# KiCad board Beacon_Multiboard.kicad_pcb (continued)
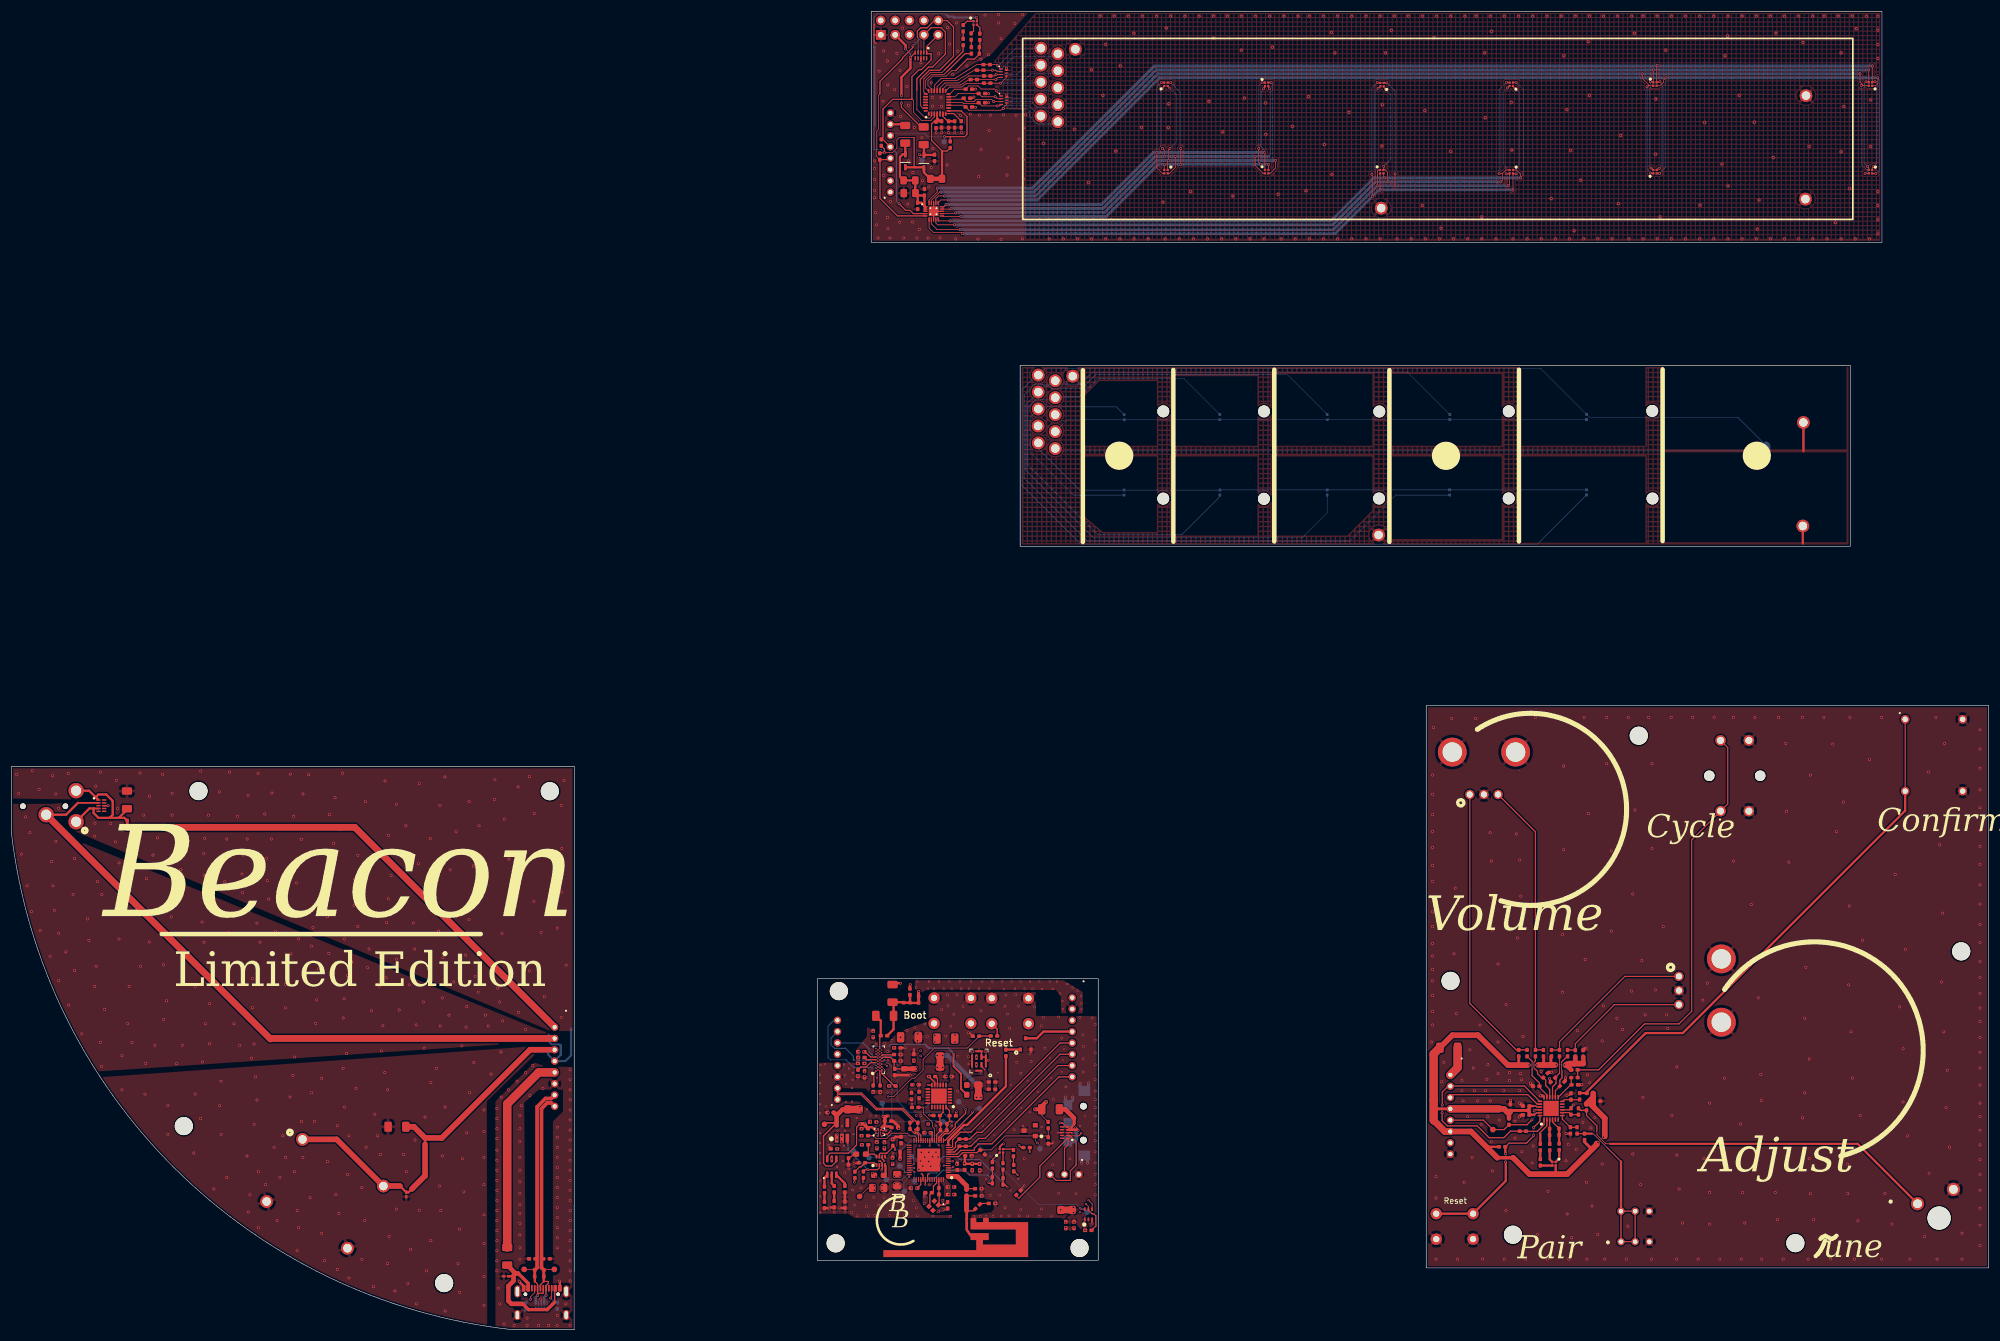
[diagram p0: board, top side]
## Routing (per net, layer and track width the routed paths; a pad name or vN(x,y) marks a point on that pad's centre or on a via; arc(x,y) is an arc through that point) (continued)
/Main_Board/+3V3_EXT: length 23.3
  In2.Cu w0.8: v2(166.84,52.12) v2(166.84,50.85) ; 166.84,51.46 183.24,51.46 186.49,54.7 J101.3
/Main_Board/+5V: length 31.2
  Top w0.2: 150.86,36.39 150.99,36.27 150.99,36.47 v2(150.91,36.55) ; PS502.A2 152.82,35.26 152.74,35.26 ; D501.6 144.25,30.73 144.74,31.21 147.99,31.21 149.44,32.66 149.44,35.78 v2(150.05,36.39)
  Top w0.4: 152.74,35.26 152.2,35.8 151.43,35.8
  Top w0.6: 150.99,36.27 150.99,36.06 151.45,35.6 C504.2 ; v2(150.05,36.39) 150.86,36.39
  In2.Cu w0.2: v2(150.05,36.39) 150.2,36.55 v2(150.91,36.55)
  In2.Cu w0.7: 144.53,40.64 144.53,40.38
  In2.Cu w0.8: 149.89,36.55 147.81,36.55 146.36,37.99 146.36,38.55 144.53,40.38
  In2.Cu w1: v2(150.91,36.55) 149.89,36.55 ; J106.4 145.12,46.71 144.53,46.12 144.53,40.64
/Main_Board/Regulators/3V3_EN: length 53.4
  Top w0.13: v3(178.11,23.24) 177.67,23.68 R508.2
  Top w0.2: PS501.7 153.47,31.04 153.63,31.2 154.77,31.2 155.84,32.27 C507.1 156.22,32.15 v3(156.22,31.8) ; SW501.2 186.19,32.05 186.85,32.71 186.85,33.78 D507.1 181.84,28.92 181.84,26.96 v3(178.11,23.24)
  In2.Cu w0.13: v3(163.97,32.58) 168.69,32.58 175.17,26.11 175.17,25.37 177.3,23.24 v3(178.11,23.24)
  Bottom w0.13: v3(163.97,32.58) 163.13,33.42 159.04,33.42 157.41,31.8 v3(156.22,31.8)
/Tactile_Board/+3V3: length 130.4
  Top w0.13: 277.93,48.22 C301.2
  Top w0.2: 269.29,38.02 269.6,38.33 270.21,38.33 U1501.23 ; U1501.21 269.71,39.37 269.54,39.55 269.06,39.55 ; 261.32,32.33 261.05,32.07 ; 273.04,27.52 273.03,27.51 ; 264.77,38.28 265.28,38.78 ; 279.76,41.69 R1402.1
  Top w0.25: R1410.2 270.92,48.27
  Top w0.3: 268.44,38.02 C1501.2
  Top w0.4: 269.29,38.02 268.44,38.02 ; 269.06,39.55 C1503.2 ; R1502.2 261.32,32.33 ; D1501.4 273.04,27.52
  Top w0.5: R1409.1 266.5,46.81 266.47,46.78 ; 267.97,38.78 268.39,39.2 C1503.2 C1501.2 268.39,38.37 267.97,38.78 ; 267.97,38.78 267.95,38.76 265.31,38.76 265.28,38.78 ; 279.44,31.89 278.13,33.2 R1403.1 ; 270.92,48.27 270.92,46.81 ; J104.4 251.46,39.04 ; R1411.1 272.19,48.22 272.19,46.81
  Top w0.6: 262.72,30.4 265.51,30.4
  Top w0.8: 275.31,47.04 275.31,46.42 R1401.1 ; R1501.2 264.77,38.28 ; R1412.2 276.51,47.24 276.3,47.04 ; 277.93,47.04 277.93,48.22 ; 279.76,39.34 279.76,41.69
  Top w1: R1404.1 279.67,41.09 R1402.1 ; 275.5,46.89 274.96,46.89 274.83,46.76 ; 263.04,39.04 263.9,39.04 264.47,38.48 264.98,38.48 ; F301.2 254.77,52.07 259.31,52.07 264.59,46.78 268.05,46.78 ; 281.71,34.19 281.71,37.39 279.3,39.8 ; 269.98,46.81 272.93,46.81 ; 280.29,32.92 280.29,32.74 275.06,27.51 268.4,27.51 265.51,30.4 ; 277.93,47.04 275.31,47.04 ; J104.6 258.07,35.04 262.72,30.4
  Top w1.2: 251.46,40.71 251.46,39.04 ; 251.46,37.01 253.42,35.04 J104.6
  Top w1.3: J104.4 263.04,39.04
  Top w1.5: 251.46,37.01 251.46,48.76 F301.2
  Bottom w0.13: v1(281.47,34.05) v1(280.51,33.09) ; v1(274.56,46.81) v1(273.18,46.81) ; v1(269.71,46.81) v1(268.35,46.81)
/Tactile_Board/+3V3_EXT: length 5.3
  Top w1.5: J104.1 255.69,46.32 F301.1
GND: length 137
  Top w0.13: 144.72,21.62 v2(144.61,21.51) 144.6,21.5 ; R508.1 178.47,24.91 v3(179.08,25.52) ; C610.2 156.04,61.26 ; 175.95,222.85 D416.7 ; v2(171.48,45.31) 171.48,45.37 ; C1406.1 271.78,45.54 ; v2(180.07,48.81) 180.27,49.02 Q1301.S ; 176,218.05 176,217.9 D418.7 ; v1(266.65,40.05) 266.75,40.05 ; 158,49.83 v2(158.02,49.86) ; v1(278.44,49.81) 278.28,49.81 ; 146.48,21.52 v2(146.46,21.53)
  Top w0.2: C406.1 169.91,216.13 v1(170.49,216.13) ; C533.1 144.53,32.32 v2(144.53,32.61) ; R503.1 149.71,29.41 v2(149,29.41) ; v1(274.88,34.67) 275.64,34.67 C1403.1 ; v2(164.88,21.23) 165.34,21.23 C710.1 ; J410.1 J410.2 148.2,30.32 148.92,31.03 R504.1 ; U401.EP 163.05,197.75 U401.8 ; U401.EP 163.05,197.75 U401.18 ; U401.EP 163.07,197.74 U401.13 ; U1501.9 275.46,38.87 C1404.1 275.75,39.34 v1(276.13,39.72) ; v3(185.1,34.85) D507.8 ; 152.53,228.97 152.53,230.82 152.56,230.85 ; 152.53,228.97 152.53,227.72 152.89,227.37 ; 152.53,228.97 152.56,228.94 153.73,228.94 ; C1407.1 271.94,43.98 v1(271.94,44.4) ; C413.1 169.86,219.35 v1(170.49,219.35) ; v3(187.55,34.72) 187.41,34.85 D507.3 ; C412.1 172.19,218.55 v1(172.79,218.55) ; R510.1 183.98,32.89 v3(184.21,33.12) ; v3(154.62,35.2) 154.1,35.2 PS502.D2 ; v1(275.03,41.43) 275.37,41.43 C1402.1 ; C410.1 172.16,216.95 v1(172.79,216.95) ; v1(268.58,43.58) 268.58,43.5 ; v2(161.37,23.47) 161.37,24 C711.1 ; 274.78,44.07 C1408.1
  Top w0.25: C801.1 169.39,52.5 v2(169.19,52.5) ; C411.1 169.98,217.74 v1(170.19,217.95) ; 172.31,48.2 172.29,48.19 MK1201.2 171.52,49.19 171.5,49.22 ; 316.73,139.03 316.76,139 ; v2(191.07,18.85) 191.08,18.86 U1101.3 ; v1(160.81,224.05) D415.8 ; v1(17.12,92.65) D504.8 ; C601.1 159.57,48.72 v4(159.57,49.62) ; v2(162.22,44.76) 163.24,43.74 U1001.11 ; 316.83,155.33 316.86,155.3
  Top w0.3: C612.2 158,49.83 ; 270.7,41.37 U1501.18 ; 266.98,37.97 C1501.1
  Top w0.4: C602.1 v2(158.92,44.99) ; J510.A1 90.59,7.7 v1(89.81,8.48) ; J502.2 147.37,22.67 R511.1 ; v2(158.94,61.01) 158.87,60.94 C609.2 ; v1(175.95,223.05) 175.95,222.85 ; 156.04,61.26 v2(157.21,61.26) ; J502.1 146.48,21.52 ; R516.1 144.6,21.5 ; H422.1 316.83,155.33 ; R515.1 144.72,21.62 ; H421.1 316.73,139.03 ; v1(96.87,8.58) 96.99,8.46 J510.A12 ; v1(176,218.27) 176,218.05 ; v2(155.84,33.66) 156.28,34.1 C708.1
  Top w0.5: C513.1 v2(156.88,35.58) 156.76,36.03 155.91,36.88 C506.1 ; v1(274.78,44.52) 274.78,44.07 ; 278.28,49.81 C301.1 ; v1(265.03,40.54) C1502.1 ; 268.58,43.5 C1405.1 ; C1401.1 v1(277.65,43.3) ; v1(266.64,37.63) 266.98,37.97 ; 271.78,45.54 v1(272.32,45.54) ; 266.75,40.05 C1503.1 ; v1(270.39,41.37) 270.7,41.37
  In4.Cu w0.15: 150.01,47.7 149.96,47.65 148.9,47.65 ; 151.85,47.7 151.9,47.65
  In4.Cu w0.2: 151.9,47.65 152.66,46.88 152.36,46.58 152.36,46.22 152.47,46.11 152.47,46.08 152.67,45.88 153.13,45.88 v5(153.2,45.95) ; 148.9,47.65 148.85,47.7 ; 150.01,47.7 151.85,47.7
  In4.Cu w0.25: 147.84,50.69 146.97,50.69 ; 151.65,49.63 151.75,49.53 ; 146.82,49.68 146.31,49.68 146.26,49.73 145.55,49.73 144.94,50.34 144.94,51.56 145.45,52.07 ; 152.31,48.46 152.55,48.46 v5(152.81,48.72)
  In4.Cu w0.381: 147.07,47.7 144.89,47.7 144.33,48.26 144.33,53.64 145.04,54.35 ; J106.5 146.06,49.42 146.31,49.68 147.53,49.68 148.85,48.36 148.85,47.7
  In4.Cu w0.4: 151.65,49.63 150.58,50.69 147.84,50.69 146.82,49.68 ; 152.36,46.22 152.18,46.22 152.03,46.38 148.85,46.38 147.53,47.7 147.07,47.7 J106.5 ; 151.75,49.53 151.75,49.02 152.31,48.46
  Bottom w0.2: 189.21,30.33 J501.3 190.25,30.25
  Bottom w0.25: D505.3 93.71,5.29 v1(93.57,5.43)
  Bottom w0.3: 96.93,50.43 95.56,50.43 94.99,51
  Bottom w0.4: J105.4 97.13,48.56 97.13,50.24 96.93,50.43 ; J105.4 94.94,48.61 94.94,49.78 ; J105.4 97.94,47.49 98.95,48.51 98.95,53.28 ; 94.99,51 94.99,52.17
  Bottom w0.5: v2(189.21,29.43) 189.21,30.33 ; v2(188.96,43.58) 188.96,42.95 J501.3 190.43,42.95 v2(190.43,43.63) ; v2(186.37,41.14) 186.37,40.14 J501.3 187.66,40.58 v2(187.66,41.14) ; v2(190.25,29.46) 190.25,30.25
  vias: v1(0.96,98.19) v1(1.32,94.79) v1(1.77,84.07) v1(2.54,90.67) v1(2.79,78.48) v1(3.3,87.88) v1(3.55,73.91) v1(3.7,98.85) v1(4.92,95.55) v1(5.08,70.61) v1(6.85,66.03) v1(7.11,82.8) v1(7.26,97.94) v1(7.36,78.48) v1(7.62,74.16) v1(7.87,94.74) v1(7.87,86.36) v1(8.38,92.2) v1(8.38,70.1) v1(8.38,61.72) v1(9.65,66.8) v1(10.05,98.34) v1(10.16,57.4) v1(10.92,76.96) v1(11.17,83.31) v1(11.17,63.5) v1(12.44,52.32) v1(13.46,72.64) v1(13.71,68.83) v1(14.73,87.27) v1(14.73,60.7) v1(14.78,89.56) v1(14.93,96.11) v1(14.98,64.26) v1(15.24,79.24) v1(15.74,98.6) v1(15.74,50.8) v1(16,76.96) v1(15.95,46.53) v1(16.51,56.64) v1(17.57,89.45) v1(18.39,86.25) v1(18.59,97.12) v1(18.79,92.15) v1(19.05,82.55) v1(19.05,73.66) v1(19.05,69.08) v1(19.55,48.46) v1(19.55,42.41) v1(20.57,54.1) v1(20.82,60.7) v1(21.33,50.8) v1(22.75,98.45) v1(22.86,64.26) v1(23.41,90.98) v1(23.62,41.65) v1(23.77,47.09) v1(23.87,79.75) v1(24.43,94.33) v1(24.38,68.58) v1(25.04,83.92) v1(25.4,50.29) v1(25.85,86.96) v1(26.77,98.19) v1(26.92,64.51) v1(26.92,54.86) v1(27.43,58.16) v1(27.68,39.62) v1(27.68,34.54) v1(28.29,72.99) v1(28.44,94.85) v1(28.44,90.98) v1(29.21,47.04) v1(29.46,76.96) v1(29.66,83.92) v1(29.97,81.33) v1(30.17,86.81) v1(30.22,50.29) v1(32.25,31.24) v1(32.51,60.7) v1(32.51,41.65) v1(33.47,98.75) v1(33.44,37.33) v1(33.73,72.08) v1(33.78,47.34) v1(34.03,84.17) v1(34.08,80.36) v1(34.08,68.52) v1(34.18,86.86) v1(34.29,54.1) v1(34.84,90.98) v1(35.05,57.65) v1(35.05,50.54) v1(35.81,24.89) v1(36.06,74.93) v1(36.77,95.09) v1(36.83,39.62) v1(37.08,43.94) v1(37.08,34.54) v1(37.69,83.97) v1(37.74,79.19) v1(37.79,65.02) v1(38.1,86.76) v1(38.1,26.92) v1(38.4,70.25) v1(38.6,98.6) v1(39.37,73.15) v1(39.37,54.1) v1(39.98,90.77) v1(40.38,50.29) v1(40.79,80.56) v1(40.89,77.26) v1(40.99,83.92) v1(41.7,86.76) v1(41.65,30.73) v1(41.85,94.48) v1(41.91,20.82) v1(42.16,23.87) v1(42.46,48) v1(42.62,62.07) v1(42.62,56.94) v1(42.92,50.54) v1(42.92,36.32) v1(43.18,44.7) v1(43.43,71.88) v1(43.43,40.64) v1(43.63,98.34) v1(43.68,27.94) v1(43.68,18.03) v1(43.99,68.52) v1(44.8,91.18) v1(44.95,25.65) v1(45.16,83.36) v1(45.26,79.4) v1(45.51,76.14) v1(46.02,86.76) v1(46.07,94.89) v1(46.48,32.25) v1(46.73,70.35) v1(46.99,19.3) v1(47.49,26.92) v1(48,34.28) v1(48.46,61.06) v1(48.46,56.89) v1(48.51,30.48) v1(49.32,98.24) v1(49.27,41.14) v1(49.42,66.44) v1(49.78,44.95) v1(49.93,90.77) v1(49.93,74.01) v1(50.08,48.2) v1(50.03,27.94) v1(50.44,78.99) v1(50.54,21.08) v1(50.54,13.97) v1(50.8,69.08) v1(50.8,18.03) v1(51.1,83.15) v1(51.25,86.71) v1(51.3,36.83) v1(51.56,94.74) v1(51.56,30.48) v1(52.57,98.14) v1(52.83,23.36) v1(53.08,67.81) v1(53.08,41.91) v1(53.34,71.12) v1(53.59,36.83) v1(53.79,54.15) v1(53.95,58.31) v1(54.3,63.8) v1(54.86,44.45) v1(54.86,17.01) v1(55.37,76.96) v1(55.37,12.19) v1(55.88,73.05) v1(55.88,29.71) v1(56.13,66.54) v1(56.23,91.08) v1(56.18,82.85) v1(56.99,86) v1(57.25,94.08) v1(57.4,23.87) v1(57.65,36.06) v1(57.65,10.66) v1(57.91,20.57) v1(58.57,98.39) v1(58.67,55.11) v1(58.67,46.22) v1(58.82,58.52) v1(58.92,69.08) v1(58.92,39.37) v1(59.28,48.86) v1(59.43,62.63) v1(59.43,27.43) v1(59.69,34.28) v1(59.69,9.14) v1(60.19,65.02) v1(60.6,75.03) v1(60.65,79.65) v1(60.96,42.67) v1(61.26,83.87) v1(61.26,71.27) v1(61.97,25.14) v1(61.97,12.44) v1(62.48,19.3) v1(62.58,93.37) v1(62.73,32.25) v1(62.99,64) v1(63.24,67.31) v1(63.7,56.38) v1(64,7.62) v1(64.26,38.09) v1(64.77,34.28) v1(65.07,60.75) v1(65.27,30.98) v1(65.43,49.3) v1(65.68,53.74) v1(66.09,97.02) v1(66.04,45.46) v1(66.29,62.23) v1(66.34,71.98) v1(66.54,42.41) v1(66.54,11.68) v1(66.7,87.42) v1(66.65,76.2) v1(66.8,16.5) v1(67.15,80.26) v1(67.81,6.85) v1(68.07,92.91) v1(68.07,65.53) v1(68.07,21.33) v1(68.58,56.54) v1(69.34,30.98) v1(69.74,89.1) v1(69.85,27.94) v1(70.1,8.12) v1(70.35,60.96) v1(70.61,14.22) v1(71.06,71.88) v1(71.32,67.31) v1(71.37,33.52) v1(71.57,53.89) v1(71.62,4.57) v1(71.98,82.39) v1(72.13,96.57) v1(72.13,21.08) v1(72.84,57.96) v1(73,49.78) v1(73.15,37.59) v1(73.4,10.41) v1(73.91,62.99) v1(74.06,86.86) v1(74.16,43.68) v1(74.16,15.74) v1(75.18,46.22) v1(75.54,70.45) v1(75.69,25.4) v1(75.79,92.71) v1(75.84,53.69) v1(75.94,21.08) v1(76.2,58.67) v1(76.2,30.73) v1(76.3,65.78) v1(76.65,97.73) v1(76.7,39.37) v1(76.7,3.3) v1(77.36,55.62) v1(77.57,81.33) v1(78.23,61.46) v1(78.63,88.08) v1(78.99,11.68) v1(79.24,17.78) v1(79.24,6.6) v1(79.65,50.19) v1(79.75,30.22) v1(80.01,24.38) v1(80.31,66.24) v1(80.41,53.49) v1(80.51,57.15) v1(80.51,34.79) v1(80.92,93.37) v1(80.92,72.54) v1(81.02,41.91) v1(81.68,81.99) v1(81.78,47.24) v1(81.99,62.48) v1(82.55,59.69) v1(82.7,89.1) v1(83.56,38.86) v1(83.56,35.05) v1(83.56,30.48) v1(83.56,25.65) v1(83.56,20.31) v1(83.56,15.24) v1(83.56,9.39) v1(83.56,4.31) v1(83.82,55.62) v1(84.32,53.69) v1(84.83,45.21) v1(85.39,93.77) v1(85.49,97.23) v1(85.85,39.11) v1(85.85,37.33) v1(85.85,35.56) v1(85.85,33.78) v1(85.85,31.75) v1(85.85,29.97) v1(85.85,28.19) v1(85.85,26.41) v1(85.85,24.63) v1(85.85,22.86) v1(85.85,21.08) v1(85.85,19.3) v1(85.85,17.52) v1(85.85,15.74) v1(85.85,13.97) v1(85.85,12.19) v1(85.85,10.41) v1(86,60.4) v1(86.1,7.36) v1(86.36,57.91) v1(86.36,4.57) v1(86.56,49.12) v1(86.61,41.14) v1(86.76,70.05) v1(86.86,54.61) v1(87.12,1.01) v1(87.17,90.27) v1(87.47,74.57) v1(87.88,42.41) v1(87.98,83.21) v1(88.9,0.76) v1(89.4,43.94) v1(89.61,95.96) v1(89.66,56.13) v1(89.91,37.84) v1(89.91,35.56) v1(89.91,33.27) v1(89.91,30.48) v1(89.91,28.19) v1(89.91,26.16) v1(89.91,24.12) v1(89.91,22.09) v1(89.91,20.57) v1(89.91,18.79) v1(89.91,16.76) v1(89.91,14.47) v1(89.91,12.44) v1(90.17,39.62) v1(90.93,53.08) v1(90.93,45.46) v1(91.18,2.03) v1(91.18,0.76) v1(91.59,97.78) v1(91.59,63.44) v1(91.69,41.4) v1(91.94,83.36) v1(92.2,46.73) v1(92.4,75.74) v1(92.45,91.28) v1(93.21,0.76) v1(93.67,70.25) v1(93.98,42.67) v1(94.23,58.87) v1(94.99,0.76) v1(96.52,71.01) v1(96.52,35.81) v1(96.52,34.03) v1(96.52,32.25) v1(96.52,30.48) v1(96.52,28.7) v1(96.52,26.92) v1(96.52,25.14) v1(96.52,23.36) v1(96.52,21.59) v1(96.52,19.81) v1(96.52,18.03) v1(96.52,16.25) v1(96.52,14.47) v1(96.52,2.54) v1(96.52,0.76) v1(97.23,92.71) v1(97.23,77.36) v1(97.23,55.21) v1(97.33,85.09) v1(97.69,97.1) v1(98.09,64.46) v1(98.04,4.57) v1(98.8,45.97) v1(98.8,44.19) v1(98.8,42.41) v1(98.8,40.64) v1(98.8,38.86) v1(98.8,37.08) v1(98.8,35.3) v1(98.8,33.52) v1(98.8,31.75) v1(98.8,29.97) v1(98.8,28.19) v1(98.8,26.41) v1(98.8,24.63) v1(98.8,22.86) v1(98.8,21.08) v1(98.8,19.3) v1(98.8,17.52) v1(98.8,15.74) v1(98.8,13.97) v1(98.8,12.19) v1(98.8,10.41) v1(98.8,8.63) v1(98.8,0.76) v1(152.58,206.64) v1(152.58,205.32) v1(152.61,203.36) v1(152.61,200.14) v1(152.64,201.46) v1(152.79,197.5) v1(152.99,195.34) v1(153.22,193.03) v1(153.42,222.54) v1(154.11,217.21) v1(154.24,226.12) v1(154.24,204.1) v1(154.87,224.32) v1(154.9,196.66) v1(154.97,220.1) v1(154.97,194.68) v1(155.33,193.03) v1(155.43,199.48) v1(156.17,219.24) v1(156.57,225.66) v1(157.11,222.64) v1(157.05,195.82) v1(157.23,214.51) v1(157.56,230.13) v1(157.77,193.05) v1(158.32,219.8) v1(158.5,199.02) v1(158.6,216.5) v1(158.66,206.67) v1(159.39,204.61) v1(159.34,195.84) v1(159.65,212.56) v1(160.13,193.03) v1(160.53,194.55) v1(160.99,210.75) v1(161.09,203.16) v1(162.08,193.03) v1(162.19,202.05) v1(162.64,220.46) v1(162.64,205.5) v1(162.82,217.89) v1(162.85,216.34) v1(162.95,208.88) v1(163.49,211.65) v1(163.96,225.66) v1(164.17,193.05) v1(164.37,217.84) v1(164.47,216.29) v1(164.49,211.65) v1(165.44,205.95) v1(165.54,230.21) v1(165.69,211.65) v1(165.89,227.29) v1(166.43,221.93) v1(166.79,211.65) v1(166.99,192.85) v1(167.11,231.05) v1(167.34,226.05) v1(167.8,214.72) v1(167.99,211.65) v1(168.97,223.43) v1(169.55,214.92) v1(170.89,192.85) v1(171.04,203.9) v1(171.14,214.75) v1(171.43,224.62) v1(171.44,208.65) v1(172.14,232.45) v1(172.73,225.44) v1(172.89,212.05) v1(173.09,214.75) v1(174.54,232.55) v1(174.54,231.05) v1(174.99,228.25) v1(174.99,192.8) v1(175.44,214.8) v1(176.04,204.15) v1(176.19,207.25) v1(177.44,230.95) v1(177.64,214.7) v1(178.19,210.5) v1(178.79,232.55) v1(178.74,192.85) v1(178.9,206.87) v1(179.03,212.51) v1(178.95,203.44) v1(179.29,214.8) v1(182.49,209.75) v1(183.49,192.85) v1(185.99,192.85) v1(187.99,212.25) v1(188.49,192.86) v1(190.44,202.85) v1(190.99,222.75) v1(190.99,192.85) v1(192.49,232.25) v1(192.99,218.25) v1(193.49,227.25) v1(193.49,192.85) v1(194.99,232.26) v1(195.28,208.39) v1(195.99,192.85) v1(196.07,223.45) v1(197.49,232.25) v1(198.46,229.25) v1(198.49,192.86) v1(199.84,212.6) v1(199.99,232.25) v1(200.99,192.85) v1(202.49,232.25) v1(203.59,199.35) v1(203.99,192.85) v1(204.2,230.16) v1(204.54,212.55) v1(204.64,216.75) v1(204.99,232.26) v1(206.49,192.85) v1(207.49,232.25) v1(208.49,201.25) v1(208.99,192.86) v1(209.99,232.25) v1(211.49,192.85) v1(211.74,217.2) v1(212.49,232.25) v1(212.54,228.3) v1(213.99,192.85) v1(214.19,211.8) v1(214.99,232.26) v1(215.99,200.45) v1(216.49,192.85) v1(217.49,232.25) v1(217.49,226.25) v1(217.99,217.75) v1(218.99,192.86) v1(219.99,232.25) v1(221.49,192.85) v1(221.74,216.9) v1(221.79,211.35) v1(222.49,232.25) v1(222.99,226.75) v1(223.99,200.75) v1(224.49,192.85) v1(224.99,232.26) v1(226.49,212.75) v1(226.99,192.85) v1(227.49,232.25) v1(228.89,201.39) v1(229.34,218.05) v1(229.49,232.25) v1(229.49,192.86) v1(231.99,232.25) v1(231.99,192.85) v1(232.14,209.55) v1(233.41,229.4) v1(233.49,204.25) v1(233.99,225.75) v1(234.49,232.26) v1(234.49,192.85) v1(236.49,215.25) v1(236.99,232.25) v1(236.99,192.85) v1(239.49,232.25) v1(239.49,192.86) v1(241.99,232.25) v1(241.99,192.85) v1(242.39,216.6) v1(242.34,209.3) v1(242.99,225.75) v1(243.99,229.75) v1(244.49,232.26) v1(244.99,192.85) v1(246.99,232.25) v1(247.49,192.85) v1(249.49,232.25) v1(249.49,198.75) v1(249.89,215.55) v1(249.99,192.86) v1(251.06,50.87) v1(251.26,98.07) v1(251.26,94.67) v1(251.26,91.07) v1(251.26,88.07) v1(251.26,85.27) v1(251.26,82.07) v1(251.26,79.27) v1(251.26,76.47) v1(251.26,73.87) v1(251.26,71.27) v1(251.26,68.27) v1(251.26,66.07) v1(251.26,63.67) v1(251.26,61.67) v1(251.26,59.07) v1(251.26,56.27) v1(251.26,53.87) v1(251.49,228.45) v1(251.46,106.47) v1(251.87,27.07) v1(251.87,23.26) v1(251.87,12.47) v1(251.99,232.25) v1(252.49,192.85) v1(252.79,194.75) v1(252.86,43.87) v1(253.26,47.27) v1(254.49,232.26) v1(254.49,208.3) v1(254.66,108.07) v1(254.99,192.85) v1(255.06,66.47) v1(255.26,78.07) v1(255.46,55.87) v1(255.68,12.47) v1(256.46,44.07) v1(256.46,42.27) v1(256.66,40.47) v1(256.86,26.07) v1(256.99,232.25) v1(257.49,192.85) v1(257.46,37.67) v1(257.86,49.47) v1(258.26,30.47) v1(258.46,46.27) v1(258.66,42.27) v1(258.86,108.07) v1(258.99,232.25) v1(259.26,40.47) v1(259.66,53.87) v1(259.86,36.27) v1(259.99,196.75) v1(259.99,192.86) v1(260.12,12.47) v1(260.49,225.75) v1(260.59,214.3) v1(260.66,42.27) v1(260.86,44.27) v1(261.06,46.87) v1(261.06,37.67) v1(261.49,232.25) v1(261.46,87.87) v1(261.46,40.47) v1(261.7,229.58) v1(261.66,82.87) v1(261.66,33.27) v1(261.86,76.27) v1(261.86,70.67) v1(261.86,28.07) v1(262.49,192.85) v1(262.86,64.67) v1(262.86,50.87) v1(262.86,45.27) v1(263.06,37.07) v1(263.46,108.07) v1(263.86,42.27) v1(263.99,232.26) v1(263.93,12.47) v1(264.26,57.47) v1(264.26,21.07) v1(264.86,45.47) v1(264.86,44.07) v1(265.19,217) v1(265.29,208.6) v1(265.49,192.85) v1(265.86,36.87) v1(265.86,33.87) v1(266.06,87.67) v1(266.26,69.27) v1(266.49,232.25) v1(266.66,83.07) v1(266.66,42.27) v1(266.86,76.67) v1(266.86,45.27) v1(267.02,44.17) v1(267.06,31.47) v1(267.26,51.87) v1(267.74,12.47) v1(267.99,192.85) v1(268.86,29.47) v1(268.99,232.25) v1(269.06,32.47) v1(269.46,108.27) v1(269.86,16.87) v1(270.49,192.86) v1(270.46,45.67) v1(271.49,232.25) v1(271.55,12.47) v1(271.66,24.47) v1(272.24,199.99) v1(272.99,192.85) v1(273.86,108.27) v1(273.99,232.26) v1(274.26,69.87) v1(274.26,59.67) v1(274.49,225.25) v1(274.46,99.67) v1(274.46,84.87) v1(274.86,29.87) v1(275.04,215.75) v1(275.06,20.47) v1(275.26,32.77) v1(275.36,12.47) v1(275.49,192.85) v1(275.64,208.55) v1(275.86,16.27) v1(276.29,194.3) v1(276.49,232.25) v1(276.66,31.87) v1(276.86,52.87) v1(277.49,203.25) v1(277.86,36.67) v1(277.99,192.85) v1(278.06,108.27) v1(278.06,77.67) v1(278.26,65.47) v1(278.46,26.07) v1(278.54,12.47) v1(278.66,45.07) v1(278.77,227.75) v1(278.86,91.27) v1(278.99,232.25) v1(278.99,218.25) v1(279.06,43.67) v1(279.26,35.67) v1(279.46,21.87) v1(279.95,37.49) v1(280.49,192.86) v1(280.47,16.83) v1(281.26,51.07) v1(281.26,29.27) v1(281.49,232.25) v1(281.46,57.27) v1(281.71,12.47) v1(282.06,108.27) v1(282.06,100.07) v1(282.86,84.67) v1(282.86,70.47) v1(282.99,192.85) v1(283.86,55.07) v1(283.99,232.26) v1(284.13,199.1) v1(284.54,211.17) v1(284.86,53.07) v1(285.52,12.47) v1(285.8,18.31) v1(285.86,108.27) v1(285.99,192.85) v1(286.49,232.25) v1(286.46,59.87) v1(286.66,77.07) v1(286.66,31.07) v1(286.99,229.25) v1(287.06,91.87) v1(288.06,25.67) v1(288.26,65.27) v1(288.49,232.25) v1(288.49,192.85) v1(288.46,41.07) v1(288.86,55.67) v1(289.46,108.27) v1(289.97,12.47) v1(290.06,100.07) v1(290.06,85.07) v1(290.69,207.85) v1(290.66,60.07) v1(290.74,217.6) v1(290.99,232.25) v1(290.99,192.86) v1(291.49,196.75) v1(292.06,71.27) v1(292.49,226.25) v1(292.66,55.67) v1(292.86,53.27) v1(293.49,232.25) v1(293.49,192.85) v1(293.46,108.27) v1(293.57,37.89) v1(294.41,12.47) v1(294.46,46.47) v1(294.46,30.87) v1(294.86,24.87) v1(295.46,18.87) v1(295.99,232.26) v1(295.99,192.85) v1(297.26,108.27) v1(298.22,12.47) v1(298.49,232.25) v1(298.49,192.85) v1(298.56,198.84) v1(299.06,58.27) v1(299.26,30.27) v1(299.37,213.45) v1(299.86,61.27) v1(300.26,40.07) v1(300.26,24.27) v1(300.26,18.67) v1(300.99,232.25) v1(300.99,192.86) v1(301.06,108.27) v1(302.03,12.47) v1(302.44,206.12) v1(302.86,44.47) v1(302.99,225.25) v1(303.49,232.25) v1(303.44,228.75) v1(303.49,202.25) v1(303.49,192.85) v1(304.46,108.27) v1(304.46,82.87) v1(305.26,30.27) v1(305.49,218.25) v1(305.72,36.38) v1(305.84,12.47) v1(305.99,232.26) v1(305.99,192.85) v1(306.06,24.27) v1(306.46,18.87) v1(307.6,75.18) v1(308.14,213.5) v1(308.26,108.27) v1(308.49,232.25) v1(308.49,192.85) v1(308.69,194.6) v1(308.86,58.67) v1(308.99,199.75) v1(309.3,45.14) v1(309.39,40.53) v1(309.46,12.47) v1(310.99,232.25) v1(310.99,192.86) v1(311.49,207.25) v1(311.46,30.27) v1(311.86,24.27) v1(311.99,229.25) v1(312.26,19.47) v1(312.46,108.27) v1(313.26,12.47) v1(313.49,232.25) v1(313.49,192.85) v1(313.72,103.63) v1(313.86,91.67) v1(314.26,82.67) v1(315.99,232.26) v1(315.99,192.85) v1(316.66,108.27) v1(316.66,37.47) v1(316.77,227.62) v1(317.06,55.07) v1(317.06,41.87) v1(317.26,64.07) v1(317.66,12.47) v1(317.84,209.21) v1(317.86,47.87) v1(317.86,30.27) v1(318.06,98.07) v1(318.06,24.07) v1(318.49,232.25) v1(318.49,192.85) v1(318.66,19.47) v1(320.49,232.25) v1(320.46,108.27) v1(320.99,192.86) v1(321.66,12.47) v1(322.01,103.53) v1(322.49,195.75) v1(322.66,88.07) v1(322.99,232.25) v1(323.49,225.75) v1(323.49,208.25) v1(323.49,192.85) v1(323.89,93.27) v1(323.99,216.25) v1(324.66,29.27) v1(324.66,24.07) v1(324.93,74.9) v1(324.84,60.96) v1(324.99,201.75) v1(325.06,108.27) v1(325.26,52.67) v1(325.49,232.26) v1(325.49,44.48) v1(325.86,12.47) v1(325.99,192.85) v1(326.17,230.08) v1(326.46,19.27) v1(326.86,37.87) v1(327.26,68.87) v1(327.99,232.25) v1(328.49,192.85) v1(328.51,100.8) v1(328.74,217.45) v1(328.74,209.2) v1(329.99,232.25) v1(329.98,229.75) v1(329.99,227.25) v1(329.99,224.75) v1(329.99,201.25) v1(329.98,198.75) v1(329.99,196.25) v1(329.99,193.75) v1(330.66,108.27) v1(330.66,12.47) v1(331.26,24.07) v1(332.46,18.67) v1(333.06,80.47) v1(333.86,57.07) v1(334.46,49.67) v1(334.46,40.27) v1(334.86,67.27) v1(335.26,34.27) v1(335.66,12.47) v1(338.26,16.47) v1(338.96,98.63) v1(339.06,27.67) v1(340.26,108.27) v1(340.46,12.47) v1(340.94,85.73) v1(341.26,61.47) v1(341.46,73.67) v1(341.66,52.67) v1(341.79,103.63) v1(342.06,39.27) v1(342.26,45.87) v1(342.66,32.27) v1(344.86,17.07) v1(344.86,12.47) v1(348.06,106.07) v1(348.06,102.67) v1(348.06,99.27) v1(348.06,95.47) v1(348.06,92.27) v1(348.06,88.27) v1(348.06,85.47) v1(348.06,82.27) v1(348.06,78.67) v1(348.06,75.27) v1(348.06,71.67) v1(348.06,68.47) v1(348.06,65.07) v1(348.06,62.27) v1(348.06,59.47) v1(348.06,56.87) v1(348.06,54.47) v1(348.06,51.67) v1(348.06,49.07) v1(348.06,46.27) v1(348.06,43.27) v1(348.06,40.07) v1(348.06,37.67) v1(348.06,35.27) v1(348.06,32.67) v1(348.06,30.07) v1(348.06,27.47) v1(348.06,24.67) v1(348.06,21.47) v1(348.06,18.47) v1(348.06,14.87) v2(144.41,38.39) v2(145.5,20.77) v2(146.82,34.17) v2(146.77,33.28) v2(147.34,27.73) v2(147.38,20.77) v2(148.08,28.39) v2(148.57,20.72) v2(148.76,24.69) v2(149.06,22.06) v2(149.56,20.16) v2(149.72,48.1) v2(149.66,47.04) v2(149.69,44.88) v2(149.87,49.14) v2(150.23,25.09) v2(150.3,35.48) v2(150.86,44.75) v2(151.16,21.79) v2(151.49,20.16) v2(151.9,36.77) v2(152.36,52.68) v2(152.36,41.98) v2(152.48,23.39) v2(152.66,20.21) v2(153.02,33.08) v2(153.35,22.04) v2(153.63,41.98) v2(153.93,25.46) v2(153.93,24.65) v2(154.3,23.36) v2(154.34,33.03) v2(154.44,50.59) v2(154.95,49.17) v2(155.25,20.21) v2(155.71,51.15) v2(155.71,22.09) v2(155.81,30.28) v2(156.12,25.81) v2(156.24,23.5) v2(157.21,48.65) v2(157.21,47.51) v2(157.13,25.76) v2(157.74,21.46) v2(157.89,20.16) v2(158.35,52.93) v2(159.19,25.05) v2(159.47,22.8) v2(159.72,53.44) v2(159.98,21.53) v2(160.23,52.29) v2(160.21,51.08) v2(160.18,20.16) v2(160.46,28.34) v2(160.82,37.84) v2(160.74,29.82) v2(160.89,31.36) v2(161.15,28.93) v2(161.4,22.35) v2(161.5,54.05) v2(161.48,30.53) v2(161.58,34.81) v2(161.94,51.8) v2(162.19,31.36) v2(162.19,29.76) v2(162.54,28.9) v2(162.87,30.58) v2(162.97,20.11) v2(163.48,31.39) v2(163.86,30.53) v2(163.97,20.9) v2(164.49,56.6) v2(164.68,22.88) v2(165.19,51.9) v2(165.49,59.2) v2(165.62,57.3) v2(166.02,20.06) v2(166.09,53.65) v2(166.15,44.75) v2(166.55,25.22) v2(166.57,23.9) v2(166.64,55.75) v2(167.19,59.25) v2(167.14,29.26) v2(167.29,48.36) v2(167.29,42.16) v2(168.26,57.15) v2(169.22,48.28) v2(169.3,46.99) v2(169.83,30.63) v2(169.89,28.21) v2(169.93,49.17) v2(170.19,20.01) v2(171.2,28.18) v2(171.36,20.01) v2(171.44,56.4) v2(171.52,24.92) v2(171.6,23.65) v2(172.25,49.17) v2(172.32,20.01) v2(172.7,47.65) v2(173.08,23.77) v2(173.54,20.06) v2(174,22.32) v2(174.71,23.77) v2(175.01,20.11) v2(175.67,57.2) v2(175.67,21.56) v2(175.84,59.15) v2(176.09,55.8) v2(176.39,20.11) v2(176.49,53.3) v2(177.3,35.35) v2(177.54,59.25) v2(177.76,47.29) v2(178.06,57.25) v2(178.16,20.11) v2(178.47,45.36) v2(178.47,21.23) v2(179.08,30.22) v2(179.69,20.11) v2(180.3,47.44) v2(180.91,57.04) v2(181.72,20.06) v2(182.09,53.75) v2(182.1,21.36) v2(182.48,55.22) v2(182.74,49.78) v2(183.9,20.11) v2(184.11,29.15) v2(184.21,40.74) v2(185.17,55.27) v2(185.17,24.13) v2(185.69,51.55) v2(186.42,18.08) v2(186.44,42.92) v2(187.16,30.22) v2(187.89,18.08) v2(188.22,24.02) v2(188.93,55.22) v2(189.44,52.12) v2(189.49,47.9) v2(189.54,50.08) v2(189.54,45.56) v2(191.07,55.11) v2(191.63,54) v2(191.63,51.2) v2(191.63,48.97) v2(191.63,46.83) v2(191.63,44.19) v2(191.63,42.21) v2(191.63,40.69) v2(191.63,39.26) v2(191.63,37.79) v2(191.63,36.32) v2(191.63,34.79) v2(191.63,33.42) v2(191.63,31.44) v2(191.61,29.48) v2(191.63,27.48) v2(191.63,25.7) v2(191.63,23.87) v3(143.01,45.08) v3(143.01,43.61) v3(143,41.7) v3(142.97,39.87) v3(142.97,38.25) v3(142.98,34.77) v3(142.98,33.02) v3(142.98,31.26) v3(143.01,29.41) v3(143.01,26.36) v3(143.01,23.57) v3(143.01,20.72) v3(143.06,46.78) v3(143.82,46.93) v3(143.98,39.47) v3(144.53,34.34) v3(146.01,28.75) v3(146.06,35.23) v3(146.82,35.99) v3(147,29.84) v3(147.2,46.86) v3(147.2,32.51) v3(147.35,44.98) v3(147.38,35.12) v3(147.53,43.48) v3(147.57,40.28) v3(148.09,46.17) v3(148.62,42.72) v3(148.64,40.33) v3(148.8,45.41) v3(148.75,44.19) v3(148.89,34.59) v3(149.46,37.44) v3(151.28,38.96) v3(151.9,37.87) v3(152.92,50.49) v3(152.89,37.84) v3(153.07,44.55) v3(154.92,41.96) v3(154.95,47.62) v3(155.89,31.16) v3(159.14,40.93) v3(159.49,43.31) v3(160.49,41.13) v3(162.3,25.65) v3(163.41,36.06) v3(164.14,29) v3(166.33,36.06) v3(172.37,26.6) v3(176.65,24.62) v3(178.02,26.67) v3(178.84,36.05) v3(180.04,38.45) v3(182.14,35.85) v3(188.88,20.75) v3(188.93,35.99) v4(159.99,60.5) v4(160.19,61.55) v4(162.04,60.3) v4(162.24,61.55) v4(163.09,60.3) v4(163.99,61.55) v4(164.84,60.3) v4(165.84,61.55) v4(166.24,60.3) v4(167.69,61.55) 